# KiCad board UA_TX.kicad_pcb
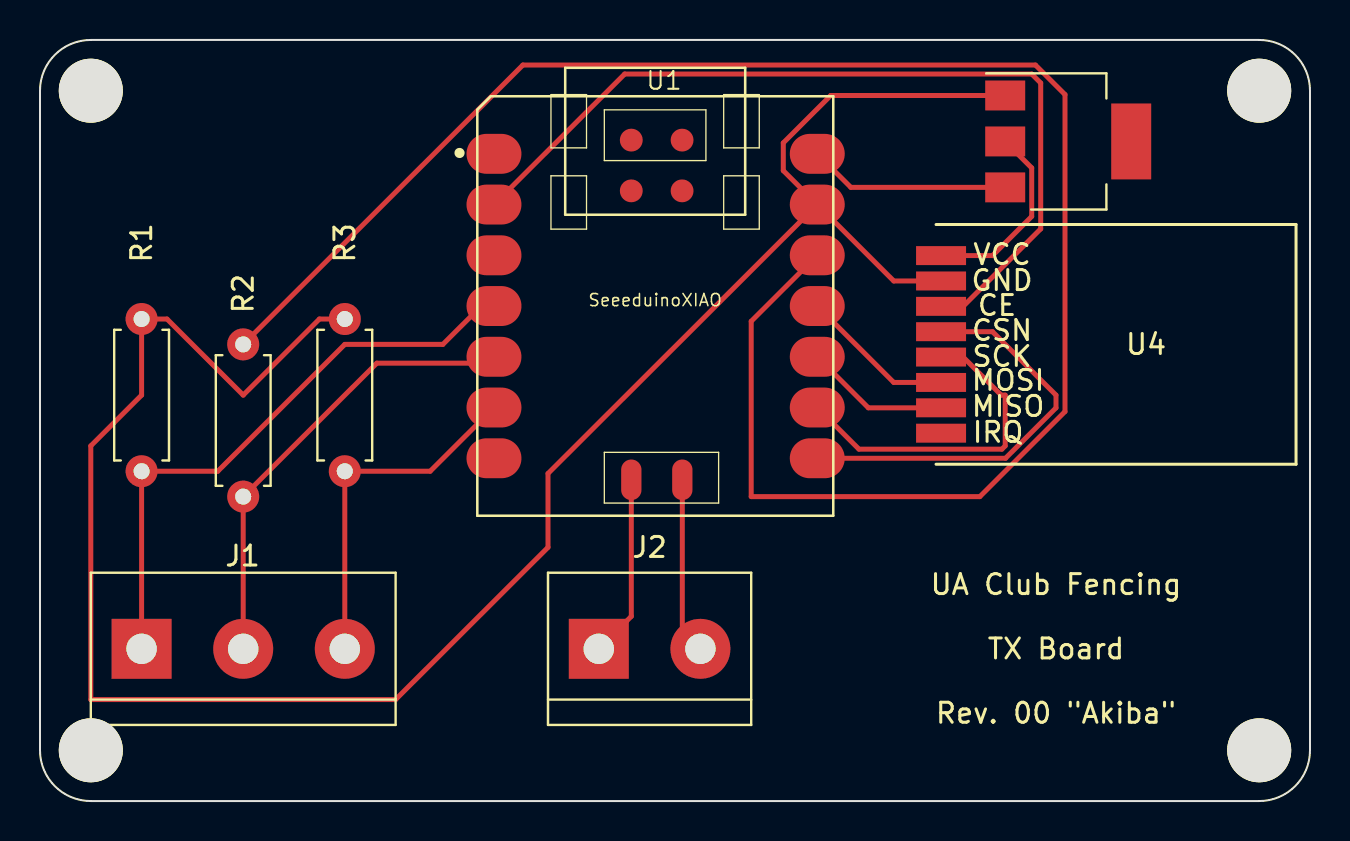
[diagram p0: board, top side]
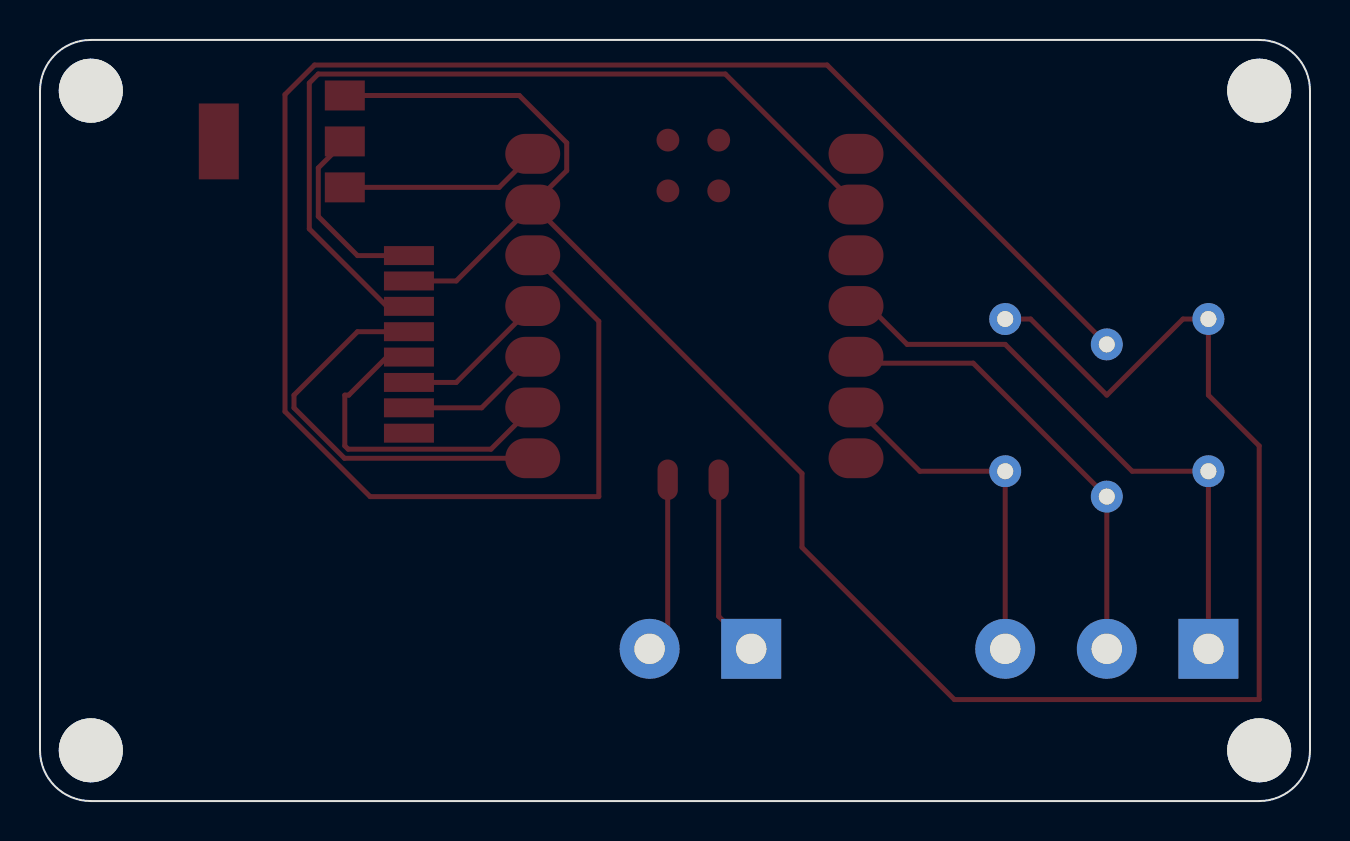
[diagram p1: board, bottom side, seen from below]

Outline 63.5 x 38.1 mm; copper layers: Top, Bottom. Coordinates in mm from the lower left corner of the outline.
Outline path: 0,35.56 0,2.54 arc(0.74,0.74) 2.54,0 60.96,0 arc(62.76,0.74) 63.5,2.54 63.5,35.56 arc(62.76,37.36) 60.96,38.1 2.54,38.1 arc(0.74,37.36) 0,35.56

## Placement (name value [footprint] x y rotation side)
H1  MountingHole  [MountingHole_3.2mm_M3]  60.96 2.54 0 top
H2  MountingHole  [MountingHole_3.2mm_M3]  60.96 35.56 0 top
H3  MountingHole  [MountingHole_3.2mm_M3]  2.54 2.54 0 top
H4  MountingHole  [MountingHole_3.2mm_M3]  2.54 35.56 0 top
J1  Screw_Terminal_01x03  [TerminalBlock_bornier-3_P5.08mm]  5.08 7.62 0 top
J2  Screw_Terminal_01x02  [TerminalBlock_bornier-2_P5.08mm]  27.94 7.62 0 top
R1  R  [R_Axial_DIN0207_L6.3mm_D2.5mm_P7.62mm_Horizontal]  5.08 24.13 270 top
R2  R  [R_Axial_DIN0207_L6.3mm_D2.5mm_P7.62mm_Horizontal]  10.16 15.24 90 top
R3  R  [R_Axial_DIN0207_L6.3mm_D2.5mm_P7.62mm_Horizontal]  15.24 16.51 90 top
U1  SeeeduinoXIAO  [Seeeduino XIAO-MOUDLE14P-2.54-21X17.8MM]  21.87 14.28 0 top
U3  AMS1117-3.3  [SOT-223-3_TabPin2]  51.41 33.02 0 top
U4  nRF24L01_module  [NRF24L01-Module-SMD]  45.8 22.86 180 top

## Footprints (pads in the part's own frame, mm; a bottom-side part is the same pattern mirrored in y, then rotated)
MountingHole_3.2mm_M3
  round 3.2 hole 3.2 unplated: (0,0)
NRF24L01-Module-SMD
  rect 2.5x0.95 smd: 1(0.3,-4.445) 2(0.3,-3.175) 3(0.3,-1.905) 4(0.3,-0.635) 5(0.3,0.635) 6(0.3,1.905) 7(0.3,3.175) 8(0.3,4.445)
R_Axial_DIN0207_L6.3mm_D2.5mm_P7.62mm_Horizontal
  round 1.6 hole 0.8: 1(0,0)
  oval 1.6x1.6 hole 0.8: 2(7.62,0)
Seeeduino XIAO-MOUDLE14P-2.54-21X17.8MM
  oval 2.748x1.999 smd: 1(0.833,18.118) 2(0.833,15.578) 3(0.833,13.038) 4(0.833,10.498) 5(0.833,7.958) 6(0.833,5.418) 7(0.833,2.878) 8(16.998,2.878) 9(16.998,5.418) 10(16.998,7.958) 11(16.998,10.498) 12(16.998,13.038) 13(16.998,15.578) 14(16.998,18.118)
  oval 1.016x2.032 smd: 15(7.7,1.8) 16(10.25,1.8)
  round 1.143 smd: 17(7.699,18.804) 18(10.239,18.804) 19(7.699,16.264) 20(10.239,16.264)
SOT-223-3_TabPin2
  rect 2x1.5 smd: 1(-3.15,2.3) 2(-3.15,0) 3(-3.15,-2.3)
  rect 2x3.8 smd: 2(3.15,0)
TerminalBlock_bornier-2_P5.08mm
  rect 3x3 hole 1.52: 1(0,0)
  round 3 hole 1.52: 2(5.08,0)
TerminalBlock_bornier-3_P5.08mm
  rect 3x3 hole 1.52: 1(0,0)
  round 3 hole 1.52: 2(5.08,0) 3(10.16,0)

## Nets
Net-(J1-Pad1): J1.1 R1.2 U1.4
Net-(J1-Pad2): J1.2 R2.1 U1.5
Net-(J1-Pad3): J1.3 R3.1 U1.6
Net-(R1-Pad1): R1.1 R3.2 U1.13 U3.1 U4.2
Net-(R2-Pad2): R2.2 U1.12
Net-(U1-Pad2): U1.2 U4.3
Net-(U1-Pad8): U1.8 U4.4
Net-(U1-Pad9): U1.9 U4.5
Net-(U1-Pad10): U1.10 U4.7
Net-(U1-Pad11): U1.11 U4.6
Net-(U1-Pad14): U1.14 U3.3
Net-(U1-Pad15): J2.1 U1.15
Net-(U1-Pad16): J2.2 U1.16
Net-(U3-Pad2): U3.2 U4.1

Pads without a net: U1 1 3 7 17 18 19 20; U4 8

## Routing (per net, layer and track width the routed paths; a pad name or vN(x,y) marks a point on that pad's centre or on a via; arc(x,y) is an arc through that point)
Net-(J1-Pad1): length 30.7
  Top w0.25: 22.38,25.1 20.14,22.86 15.24,22.86 8.89,16.51 R1.2 J1.1 ; 22.05,24.13 U1.4
Net-(J1-Pad2): length 23.5
  Top w0.25: J1.2 R2.1 16.84,21.92 22.38,21.92 ; 22.08,22.86 U1.5
Net-(J1-Pad3): length 17.7
  Top w0.25: J1.3 R3.1 19.51,16.51 U1.6
Net-(R1-Pad1): length 106.3
  Top w0.25: U1.13 25.4,16.4 25.4,12.7 17.78,5.08 2.54,5.08 2.54,17.78 5.08,20.32 R1.1 6.35,24.13 10.16,20.32 13.97,24.13 R3.2 ; U1.13 42.69,26.03 U4.2 ; U1.13 37.16,31.56 37.16,32.95 39.54,35.32 U3.1
Net-(R2-Pad2): length 94.3
  Top w0.25: U1.12 35.56,24.02 35.56,15.24 46.99,15.24 51.25,19.5 51.25,35.37 49.77,36.84 24.14,36.84 R2.2
Net-(U1-Pad2): length 43.7
  Top w0.25: U1.2 29.23,36.39 49.58,36.39 50.04,35.94 50.04,28.64 46.16,24.77 U4.3
Net-(U1-Pad8): length 20.2
  Top w0.25: U1.8 48.28,17.16 50.8,19.68 50.8,20.32 47.63,23.49 U4.4
Net-(U1-Pad9): length 16.4
  Top w0.25: U1.9 40.95,17.61 48.1,17.61 48.26,17.78 48.26,20.32 48.06,20.32 46.16,22.22 U4.5
Net-(U1-Pad10): length 7.7
  Top w0.25: U4.7 41.42,19.69 U1.10
Net-(U1-Pad11): length 8.2
  Top w0.25: U1.11 42.69,20.95 U4.6
Net-(U1-Pad14): length 10.1
  Top w0.25: U3.3 40.54,30.72 U1.14
Net-(U1-Pad15): length 9.1
  Top w0.25: U1.15 29.57,9.25 J2.1
Net-(U1-Pad16): length 8.8
  Top w0.25: J2.2 32.12,8.52 U1.16
Net-(U3-Pad2): length 9.2
  Top w0.25: 45.5,27.3 47.63,27.3 49.58,29.27 49.58,31.69 U3.2

## Text on the board
F.Silkscreen: UA Club Fencing / TX Board / Rev. 00 {dblquote}Akiba{dblquote}
